# KiCad board st296n_20741.kicad_pcb (continued)
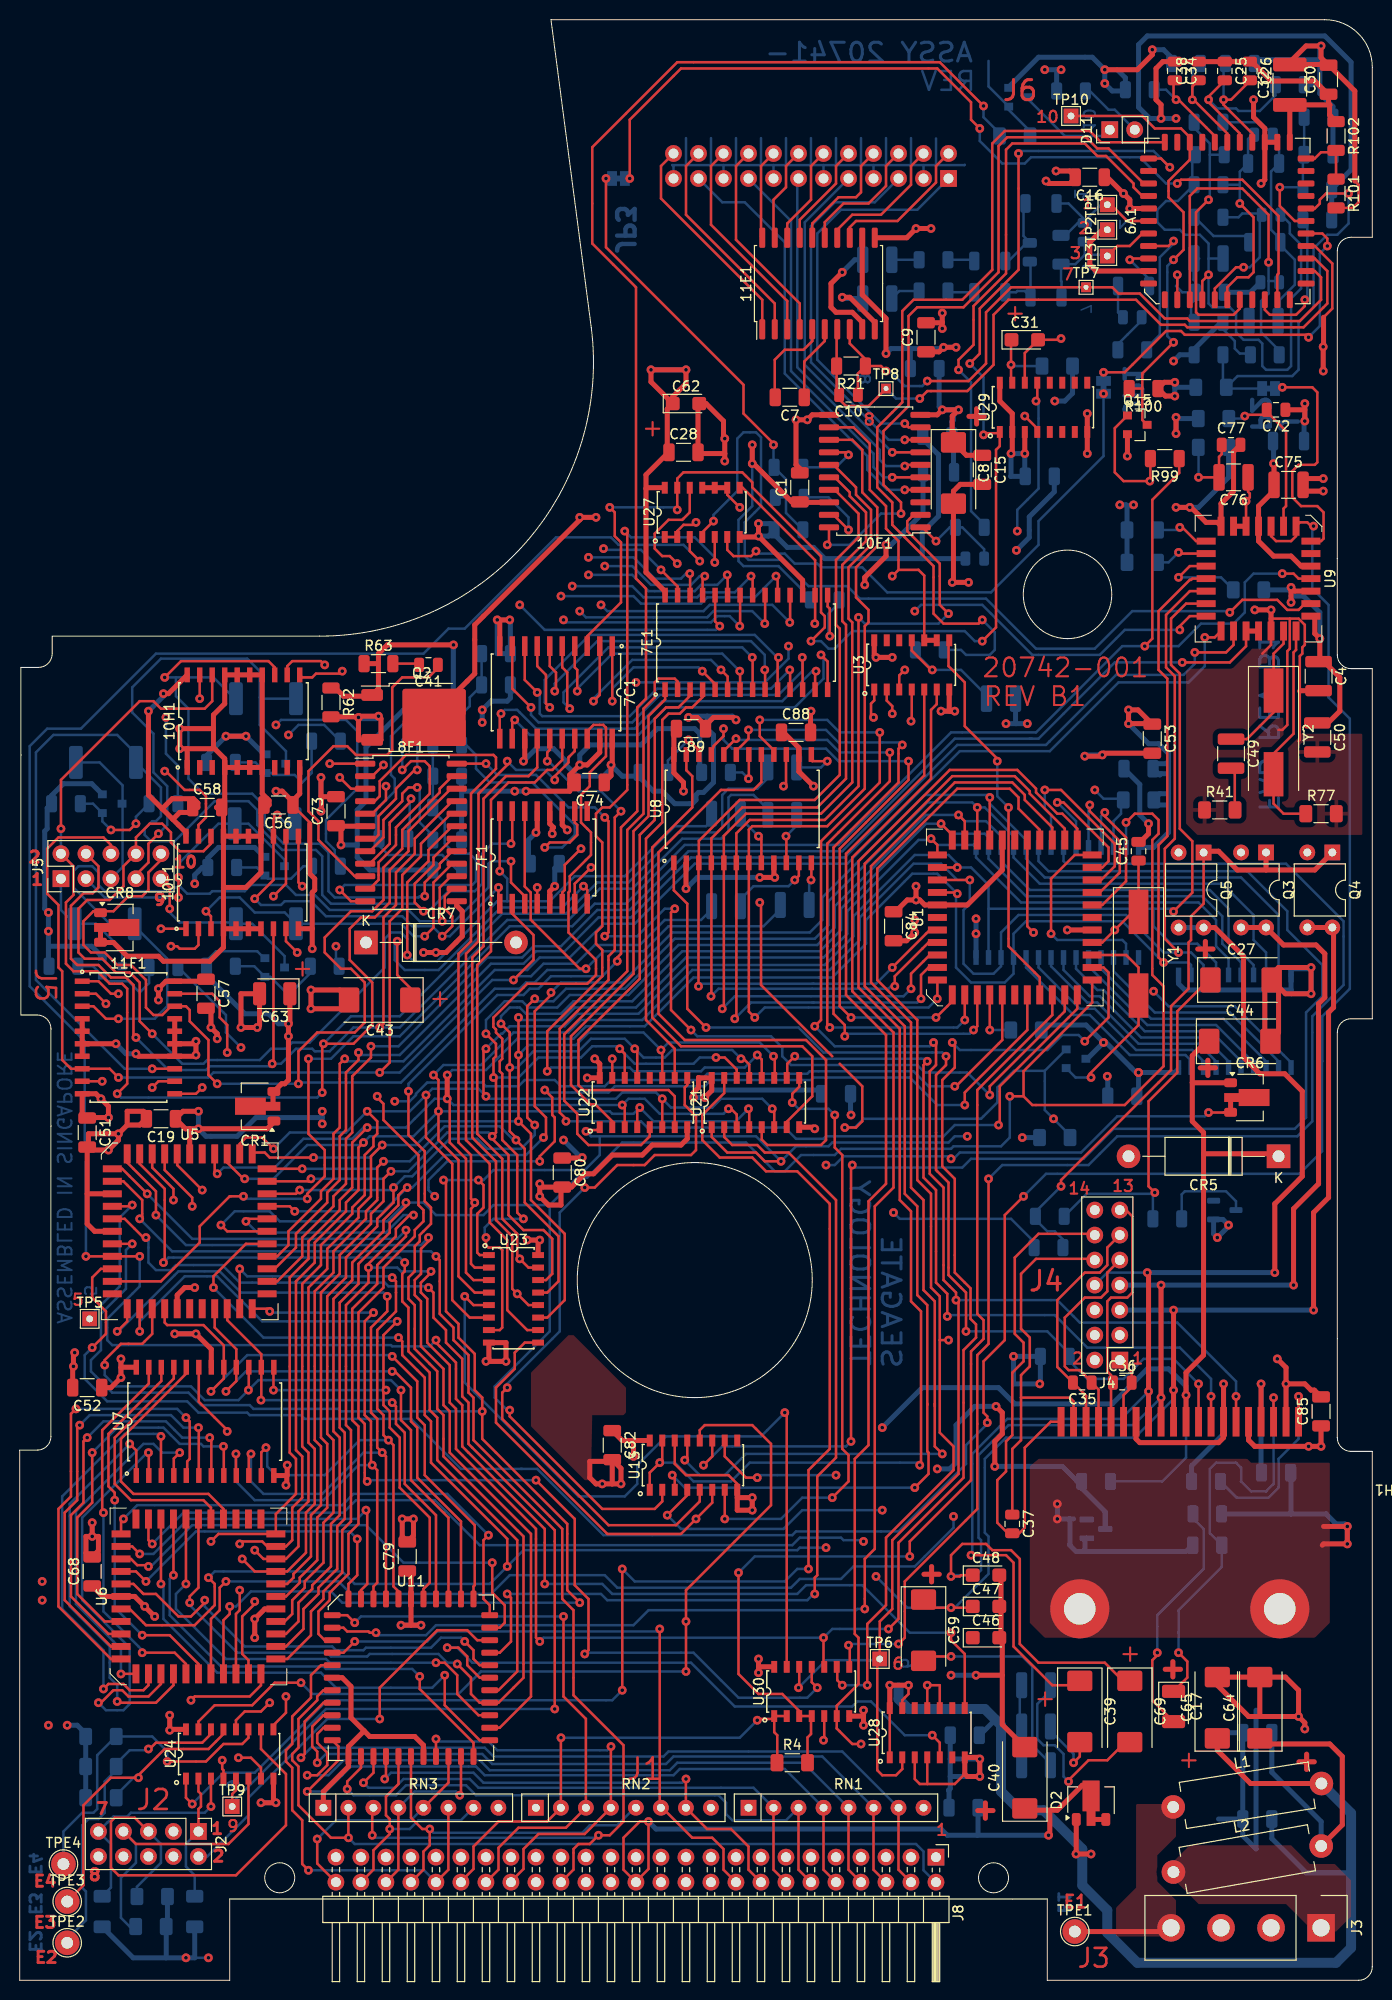
[diagram p0: board, top side]
## Footprints (pads in the part's own frame, mm; a bottom-side part is the same pattern mirrored in y, then rotated)
C_0805_2012Metric
  rrect 1x1.45 smd: 1(-0.95,0) 2(0.95,0)
C_1206_3216Metric
  rrect 1.15x1.8 smd: 1(-1.475,0) 2(1.475,0)
C_1210_3225Metric
  rrect 1.15x2.7 smd: 1(-1.475,0) 2(1.475,0)
C_1812_4532Metric
  rrect 1.4x3.4 smd: 1(-2.05,0) 2(2.05,0)
CP_EIA-3216-10_Kemet-I
  rrect 1.4x1.35 smd: 1(-1.35,0) 2(1.35,0)
CP_EIA-3528-12_Kemet-T
  rrect 1.325x2.35 smd: 1(-1.538,0) 2(1.538,0)
CP_EIA-7343-31_Kemet-D
  rrect 2.075x2.55 smd: 1(-3.112,0) 2(3.112,0)
Crystal_SMD_HC49-SD
  rect 4.5x2 smd: 1(-4.25,0) 2(4.25,0)
D_DO-15_P15.24mm_Horizontal
  rect 2.4x2.4 hole 1.2: 1(0,0)
  oval 2.4x2.4 hole 1.2: 2(15.24,0)
DIP-4_W7.62mm
  rect 1.6x1.6 hole 0.8: 1(0,0)
  oval 1.6x1.6 hole 0.8: 2(0,-2.54) 3(7.62,-2.54) 4(7.62,0)
L_1206_3216Metric
  rrect 1.05x1.9 smd: 1(-1.575,0) 2(1.575,0)
L_Axial_L13.0mm_D4.5mm_P15.24mm_Horizontal_Fastron_HCCC
  round 2.4 hole 1.2: 1(0,0)
  oval 2.4x2.4 hole 1.2: 2(15.24,0)
MOT_DRIVE_SMT
  round 6 hole 3.2: 0(-10.16,19) 0(10.16,19)
  rect 0.7x3 smd: 1(-12.065,0) 2(-10.795,0) 3(-9.525,0) 4(-8.255,0) 5(-6.985,0) 6(-5.715,0) 7(-4.445,0) 8(-3.175,0) 9(-1.905,0) 10(-0.635,0) 11(0.635,0) 12(1.905,0) 13(3.175,0) 14(4.445,0) 15(5.715,0) 16(6.985,0) 17(8.255,0) 18(9.525,0) 19(10.795,0) 20(12.065,0)
PinHeader_1x02_P2.54mm_Vertical
  rect 1.7x1.7 hole 1: 1(0,0)
  oval 1.7x1.7 hole 1: 2(0,-2.54)
PinHeader_2x05_P2.54mm_Vertical
  rect 1.7x1.7 hole 1: 1(0,0)
  oval 1.7x1.7 hole 1: 2(2.54,0) 3(0,-2.54) 4(2.54,-2.54) 5(0,-5.08) 6(2.54,-5.08) 7(0,-7.62) 8(2.54,-7.62) 9(0,-10.16) 10(2.54,-10.16)
PinHeader_2x07_P2.54mm_Vertical
  rect 1.7x1.7 hole 1: 1(0,0)
  oval 1.7x1.7 hole 1: 2(2.54,0) 3(0,-2.54) 4(2.54,-2.54) 5(0,-5.08) 6(2.54,-5.08) 7(0,-7.62) 8(2.54,-7.62) 9(0,-10.16) 10(2.54,-10.16) 11(0,-12.7) 12(2.54,-12.7) 13(0,-15.24) 14(2.54,-15.24)
PinHeader_2x12_P2.54mm_Vertical
  rect 1.7x1.7 hole 1: 1(0,0)
  oval 1.7x1.7 hole 1: 2(2.54,0) 3(0,-2.54) 4(2.54,-2.54) 5(0,-5.08) 6(2.54,-5.08) 7(0,-7.62) 8(2.54,-7.62) 9(0,-10.16) 10(2.54,-10.16) 11(0,-12.7) 12(2.54,-12.7) 13(0,-15.24) 14(2.54,-15.24) 15(0,-17.78) 16(2.54,-17.78) 17(0,-20.32) 18(2.54,-20.32) 19(0,-22.86) 20(2.54,-22.86) 21(0,-25.4) 22(2.54,-25.4) 23(0,-27.94) 24(2.54,-27.94)
PinHeader_2x25_P2.54mm_Horizontal
  rect 1.7x1.7 hole 1: 1(0,0)
  oval 1.7x1.7 hole 1: 2(2.54,0) 3(0,-2.54) 4(2.54,-2.54) 5(0,-5.08) 6(2.54,-5.08) 7(0,-7.62) 8(2.54,-7.62) 9(0,-10.16) 10(2.54,-10.16) 11(0,-12.7) 12(2.54,-12.7) 13(0,-15.24) 14(2.54,-15.24) 15(0,-17.78) 16(2.54,-17.78) 17(0,-20.32) 18(2.54,-20.32) 19(0,-22.86) 20(2.54,-22.86) 21(0,-25.4) 22(2.54,-25.4) 23(0,-27.94) 24(2.54,-27.94) 25(0,-30.48) 26(2.54,-30.48) 27(0,-33.02) 28(2.54,-33.02) 29(0,-35.56) 30(2.54,-35.56) 31(0,-38.1) 32(2.54,-38.1) 33(0,-40.64) 34(2.54,-40.64) 35(0,-43.18) 36(2.54,-43.18) 37(0,-45.72) 38(2.54,-45.72) 39(0,-48.26) 40(2.54,-48.26) 41(0,-50.8) 42(2.54,-50.8) 43(0,-53.34) 44(2.54,-53.34) 45(0,-55.88) 46(2.54,-55.88) 47(0,-58.42) 48(2.54,-58.42) 49(0,-60.96) 50(2.54,-60.96)
PLCC-28
  rect 0.7x1.925 smd: 1(0,5.322) 2(-1.27,5.322) 3(-2.54,5.322) 4(-3.81,5.322) 12(-3.81,-5.322) 13(-2.54,-5.322) 14(-1.27,-5.322) 15(0,-5.322) 16(1.27,-5.322) 17(2.54,-5.322) 18(3.81,-5.322) 26(3.81,5.322) 27(2.54,5.322) 28(1.27,5.322)
  rect 1.925x0.7 smd: 5(-5.322,3.81) 6(-5.322,2.54) 7(-5.322,1.27) 8(-5.322,0) 9(-5.322,-1.27) 10(-5.322,-2.54) 11(-5.322,-3.81) 19(5.322,-3.81) 20(5.322,-2.54) 21(5.322,-1.27) 22(5.322,0) 23(5.322,1.27) 24(5.322,2.54) 25(5.322,3.81)
PLCC-44
  rect 0.7x1.925 smd: 1(0,7.862) 2(-1.27,7.862) 3(-2.54,7.862) 4(-3.81,7.862) 5(-5.08,7.862) 6(-6.35,7.862) 18(-6.35,-7.862) 19(-5.08,-7.862) 20(-3.81,-7.862) 21(-2.54,-7.862) 22(-1.27,-7.862) 23(0,-7.862) 24(1.27,-7.862) 25(2.54,-7.862) 26(3.81,-7.862) 27(5.08,-7.862) 28(6.35,-7.862) 40(6.35,7.862) 41(5.08,7.862) 42(3.81,7.862) 43(2.54,7.862) 44(1.27,7.862)
  rect 1.925x0.7 smd: 7(-7.862,6.35) 8(-7.862,5.08) 9(-7.862,3.81) 10(-7.862,2.54) 11(-7.862,1.27) 12(-7.862,0) 13(-7.862,-1.27) 14(-7.862,-2.54) 15(-7.862,-3.81) 16(-7.862,-5.08) 17(-7.862,-6.35) 29(7.862,-6.35) 30(7.862,-5.08) 31(7.862,-3.81) 32(7.862,-2.54) 33(7.862,-1.27) 34(7.862,0) 35(7.862,1.27) 36(7.862,2.54) 37(7.862,3.81) 38(7.862,5.08) 39(7.862,6.35)
PLCC-44_16.6x16.6mm_P1.27mm
  rrect 0.6x1.7 smd: 1(0,8) 2(-1.27,8) 3(-2.54,8) 4(-3.81,8) 5(-5.08,8) 6(-6.35,8) 18(-6.35,-8) 19(-5.08,-8) 20(-3.81,-8) 21(-2.54,-8) 22(-1.27,-8) 23(0,-8) 24(1.27,-8) 25(2.54,-8) 26(3.81,-8) 27(5.08,-8) 28(6.35,-8) 40(6.35,8) 41(5.08,8) 42(3.81,8) 43(2.54,8) 44(1.27,8)
  rrect 1.7x0.6 smd: 7(-8,6.35) 8(-8,5.08) 9(-8,3.81) 10(-8,2.54) 11(-8,1.27) 12(-8,0) 13(-8,-1.27) 14(-8,-2.54) 15(-8,-3.81) 16(-8,-5.08) 17(-8,-6.35) 29(8,-6.35) 30(8,-5.08) 31(8,-3.81) 32(8,-2.54) 33(8,-1.27) 34(8,0) 35(8,1.27) 36(8,2.54) 37(8,3.81) 38(8,5.08) 39(8,6.35)
R_1206_3216Metric
  rrect 1.125x1.75 smd: 1(-1.462,0) 2(1.462,0)
R_1206_3216Metric_Pad1.30x1.75mm_HandSolder
  rrect 1.3x1.75 smd: 1(-1.55,0) 2(1.55,0)
R_1210_3225Metric
  rrect 1.125x2.65 smd: 1(-1.462,0) 2(1.462,0)
R_2512_6332Metric_Pad1.40x3.35mm_HandSolder
  rrect 1.4x3.35 smd: 1(-3.05,0) 2(3.05,0)
R_Array_SIP8
  rect 1.6x1.6 hole 0.8: 1(0,0)
  oval 1.6x1.6 hole 0.8: 2(2.54,0) 3(5.08,0) 4(7.62,0) 5(10.16,0) 6(12.7,0) 7(15.24,0) 8(17.78,0)
Samtec_HPM-04-01-x-S_Straight_1x04_Pitch5.08mm
  rect 2.8x2.8 hole 1.75: 1(0,0)
  round 2.8 hole 1.75: 2(0,-5.08) 3(0,-10.16) 4(0,-15.24)
SOIC-20W_7.5x12.8mm_P1.27mm
  rrect 2.05x0.6 smd: 1(-4.65,5.715) 2(-4.65,4.445) 3(-4.65,3.175) 4(-4.65,1.905) 5(-4.65,0.635) 6(-4.65,-0.635) 7(-4.65,-1.905) 8(-4.65,-3.175) 9(-4.65,-4.445) 10(-4.65,-5.715) 11(4.65,-5.715) 12(4.65,-4.445) 13(4.65,-3.175) 14(4.65,-1.905) 15(4.65,-0.635) 16(4.65,0.635) 17(4.65,1.905) 18(4.65,3.175) 19(4.65,4.445) 20(4.65,5.715)
SOIC-24W_7.5x15.4mm_P1.27mm
  rrect 2.05x0.6 smd: 1(-4.65,6.985) 2(-4.65,5.715) 3(-4.65,4.445) 4(-4.65,3.175) 5(-4.65,1.905) 6(-4.65,0.635) 7(-4.65,-0.635) 8(-4.65,-1.905) 9(-4.65,-3.175) 10(-4.65,-4.445) 11(-4.65,-5.715) 12(-4.65,-6.985) 13(4.65,-6.985) 14(4.65,-5.715) 15(4.65,-4.445) 16(4.65,-3.175) 17(4.65,-1.905) 18(4.65,-0.635) 19(4.65,0.635) 20(4.65,1.905) 21(4.65,3.175) 22(4.65,4.445) 23(4.65,5.715) 24(4.65,6.985)
SolderJumper-2_P1.3mm_Bridged_Pad1.0x1.5mm
  rect 1x1.5 smd: 1(-0.65,0) 2(0.65,0)
SOP127P620X175-14_SHRINK
  rect 1.2x0.6 smd: 1(-2.5,3.81) 2(-2.5,2.54) 3(-2.5,1.27) 4(-2.5,0) 5(-2.5,-1.27) 6(-2.5,-2.54) 7(-2.5,-3.81) 8(2.5,-3.81) 9(2.5,-2.54) 10(2.5,-1.27) 11(2.5,0) 12(2.5,1.27) 13(2.5,2.54) 14(2.5,3.81)
SOP127P620X175-16_SHRINK
  rect 1.2x0.6 smd: 1(-2.5,4.445) 2(-2.5,3.175) 3(-2.5,1.905) 4(-2.5,0.635) 5(-2.5,-0.635) 6(-2.5,-1.905) 7(-2.5,-3.175) 8(-2.5,-4.445) 9(2.5,-4.445) 10(2.5,-3.175) 11(2.5,-1.905) 12(2.5,-0.635) 13(2.5,0.635) 14(2.5,1.905) 15(2.5,3.175) 16(2.5,4.445)
SOP127P1065X265-16
  rect 2x0.55 smd: 1(-4.7,4.445) 2(-4.7,3.175) 3(-4.7,1.905) 4(-4.7,0.635) 5(-4.7,-0.635) 6(-4.7,-1.905) 7(-4.7,-3.175) 8(-4.7,-4.445) 9(4.7,-4.445) 10(4.7,-3.175) 11(4.7,-1.905) 12(4.7,-0.635) 13(4.7,0.635) 14(4.7,1.905) 15(4.7,3.175) 16(4.7,4.445)
SOP127P1065X265-20
  rect 2x0.55 smd: 1(-4.7,5.715) 2(-4.7,4.445) 3(-4.7,3.175) 4(-4.7,1.905) 5(-4.7,0.635) 6(-4.7,-0.635) 7(-4.7,-1.905) 8(-4.7,-3.175) 9(-4.699,-4.445) 10(-4.699,-5.715) 11(4.699,-5.715) 12(4.699,-4.445) 13(4.7,-3.175) 14(4.7,-1.905) 15(4.7,-0.635) 16(4.7,0.635) 17(4.7,1.905) 18(4.7,3.175) 19(4.7,4.445) 20(4.7,5.715)
SOP127P1065X265-20_SHRINK
  rect 1.5x0.55 smd: 1(-4.7,5.715) 2(-4.7,4.445) 3(-4.7,3.175) 4(-4.7,1.905) 5(-4.7,0.635) 6(-4.7,-0.635) 7(-4.7,-1.905) 8(-4.7,-3.175) 9(-4.699,-4.445) 10(-4.699,-5.715) 11(4.699,-5.715) 12(4.699,-4.445) 13(4.7,-3.175) 14(4.7,-1.905) 15(4.7,-0.635) 16(4.7,0.635) 17(4.7,1.905) 18(4.7,3.175) 19(4.7,4.445) 20(4.7,5.715)
SOP127P1070X255-28
  rect 1.5x0.55 smd: 1(-4.8,8.22) 2(-4.8,6.95) 3(-4.8,5.68) 4(-4.8,4.41) 5(-4.8,3.14) 6(-4.8,1.87) 7(-4.8,0.6) 8(-4.8,-0.67) 9(-4.8,-1.94) 10(-4.8,-3.21) 11(-4.8,-4.48) 12(-4.8,-5.75) 13(-4.8,-7.02) 14(-4.8,-8.29) 15(4.8,-8.29) 16(4.8,-7.02) 17(4.8,-5.75) 18(4.8,-4.48) 19(4.8,-3.21) 20(4.8,-1.94) 21(4.8,-0.67) 22(4.8,0.6) 23(4.8,1.87) 24(4.8,3.14) 25(4.8,4.41) 26(4.8,5.68) 27(4.8,6.95) 28(4.8,8.22)
SOP127P1250X255-24
  rect 1.5x0.55 smd: 1(-5.5,6.95) 2(-5.5,5.68) 3(-5.5,4.41) 4(-5.5,3.14) 5(-5.5,1.87) 6(-5.5,0.6) 7(-5.5,-0.67) 8(-5.5,-1.94) 9(-5.5,-3.21) 10(-5.5,-4.48) 11(-5.5,-5.75) 12(-5.5,-7.02) 13(5.5,-7.02) 14(5.5,-5.75) 15(5.5,-4.48) 16(5.5,-3.21) 17(5.5,-1.94) 18(5.5,-0.67) 19(5.5,0.6) 20(5.5,1.87) 21(5.5,3.14) 22(5.5,4.41) 23(5.5,5.68) 24(5.5,6.95)
SOP127P1270X305-28_SHRINK
  rect 1.5x0.55 smd: 1(-5.588,8.255) 2(-5.588,6.985) 3(-5.588,5.715) 4(-5.588,4.445) 5(-5.588,3.175) 6(-5.588,1.905) 7(-5.588,0.635) 8(-5.588,-0.635) 9(-5.588,-1.905) 10(-5.588,-3.175) 11(-5.588,-4.445) 12(-5.588,-5.715) 13(-5.588,-6.985) 14(-5.588,-8.255) 15(5.588,-8.255) 16(5.588,-6.985) 17(5.588,-5.715) 18(5.588,-4.445) 19(5.588,-3.175) 20(5.588,-1.905) 21(5.588,-0.635) 22(5.588,0.635) 23(5.588,1.905) 24(5.588,3.175) 25(5.588,4.445) 26(5.588,5.715) 27(5.588,6.985) 28(5.588,8.255)
SOT95P230X117-3
  rect 0.9x0.8 smd: 1(-1,0.95) 2(-1,-0.95) 3(1,0)
SOT-23
  rrect 1.475x0.6 smd: 1(-0.938,0.95) 2(-0.938,-0.95) 3(0.938,0)
SOT-23-3
  rrect 1.325x0.6 smd: 1(-1.137,0.95) 2(-1.137,-0.95) 3(1.137,0)
SOT-89-3
  rrect 1.3x0.9 smd: 1(-1.95,1.5) 3(-1.95,-1.5)
  custom 4.6x1.733 smd: 2(-1.863,0)
TestPoint_THTPad_1.0x1.0mm_Drill0.5mm
  rect 1x1 hole 0.5: 1(0,0)
TestPoint_THTPad_1.5x1.5mm_Drill0.7mm
  rect 1.5x1.5 hole 0.7: 1(0,0)
TestPoint_THTPad_D2.5mm_Drill1.2mm
  round 2.5 hole 1.2: 1(0,0)
TO-252-2
  rrect 2.2x1.2 smd: 1(-5.04,2.28) 3(-5.04,-2.28)
  rrect 3.05x2.75 smd: 2(-0.415,1.525) 2(-0.415,-1.525) 2(2.935,1.525) 2(2.935,-1.525)
  rrect 6.4x5.8 smd: 2(1.26,0)

## Nets
+5V: 4H1.5 6A1.29 7C1.13 7C1.20 7F1.11 10E1.18 10F1.20 10H1.20 11F1.20 C1.1 C19.1 C25.1 C26.1 C30.1 C32.1 C34.1 C38.2 C52.1 C53.1 C55.1 C57.1 C58.1 C65.1 C68.1 C70.1 C71.1 C72.1 C74.1 C79.1 C80.1 C81.1 C82.1 C83.1 C84.1 C85.1 C86.1 C88.1 C89.1 CR1.1 D1.1 D2.1 J4.3 L1.2 L3.2 Q14.3 R5.1 R6.1 R34.1 R40.1 R42.2 R46.1 R84.2 R86.2 R88.2 R89.2 R90.2 R94.2 R95.1 R100.1 R102.1 R104.1 RN1.8 RN2.8 RN3.8 U1.35 U1.44 U2.20 U3.14 U4.28 U5.1 U6.1 U7.24 U8.14 U11.1 U13.16 U21.16 U22.16 U23.16 U24.16 U28.1 U28.13 U28.14 U29.2 U29.3 U29.16 U30.14
+5VP: 7E1.28 C28.1 C62.1 CR4.3 R54.1 U27.14
+12V: 4H1.4 7F1.12 8F1.6 C33.1 C64.1 C66.1 C73.1 CR5.2 L2.2 Langle1.2 Q1.2 Q2.2 R61.1
+12VA: 6A1.44 10E1.10 C2.1 C8.1 C15.1 C16.1 Langle1.1 R1B1.1
GND: 4H1.0 4H1.2 4H1.7 4H1.14 6A1.5 6A1.21 6A1.30 6A1.31 7C1.10 7C1.19 7E1.17 7F1.13 8F1.13 10E1.11 10F1.4 10F1.5 10F1.6 10F1.7 10F1.14 10F1.15 10F1.16 10F1.17 10H1.1 10H1.4 10H1.5 10H1.6 10H1.7 10H1.14 10H1.15 10H1.16 10H1.17 11E1.11 11F1.4 11F1.5 11F1.6 11F1.7 11F1.14 11F1.15 11F1.16 11F1.17 C1.2 C2.2 C3.1 C4.2 C5.2 C6.2 C8.2 C9.2 C15.2 C16.2 C18.2 C19.2 C27.2 C28.2 C30.2 C32.2 C33.2 C40.2 C43.2 C44.2 C45.2 C46.2 C47.2 C48.2 C50.2 C51.2 C52.2 C53.2 C55.2 C56.2 C57.2 C58.2 C60.1 C62.2 C63.2 C64.2 C65.2 C66.2 C68.2 C70.2 C71.2 C73.2 C74.2 C75.2 C77.2 C78.2 C79.2 C80.2 C81.2 C82.2 C83.2 C84.2 C85.2 C86.2 C87.2 C88.2 C89.2 CR4.1 CR7.2 CR8.2 CR8.3 J2.6 J2.8 J2.10 J3.2 J3.3 J4.2 J6.3 J6.7 J6.11 J6.15 J6.19 J6.23 J8.1 J8.3 J8.5 J8.7 J8.9 J8.11 J8.13 J8.15 J8.17 J8.19 J8.20 J8.21 J8.22 J8.23 J8.24 J8.27 J8.28 J8.29 J8.30 J8.31 J8.33 J8.34 J8.35 J8.37 J8.39 J8.41 J8.43 J8.45 J8.47 J8.49 Q3.2 Q4.2 Q5.2 Q13.2 Q15.2 R3.2 R7.2 R11.1 R26.1 R27.2 R32.2 R33B1.1 R35.2 R41.1 R49.1 R50.1 R51.2 R53.2 R55.2 R57.1 R60.1 R77.2 R83.2 R91.1 R92.1 R93.1 R96.2 R97.2 R98.2 R101.2 R103.2 RN1.1 RN2.1 RN3.1 TP2.1 U1.22 U2.1 U2.10 U3.7 U4.14 U5.9 U5.12 U5.22 U6.22 U7.12 U7.18 U8.2 U8.9 U8.24 U9.11 U9.23 U11.12 U11.18 U11.24 U13.8 U13.14 U21.8 U22.8 U23.8 U24.8 U27.7 U28.3 U28.4 U28.7 U28.10 U28.11 U29.8 U30.7
/Analog/+RD: 6A1.25
/Analog/-RD: 6A1.26
/Analog/COILU: 4H1.13 C39.1 J4.8 Q5.3 Q5.4
/Analog/COILV: 4H1.12 C48.1 C69.1 J4.7 Q3.3 Q3.4
/Analog/COILW: 4H1.11 7F1.6 C47.1 C59.1 J4.5 Q4.3 Q4.4
/Analog/HDC1: 10E1.9 J6.1
/Analog/HDC2: 10E1.8 J6.5
/Analog/HDC3: 10E1.7 J6.9
/Analog/HDC4: 10E1.6 J6.13
/Analog/HDC5: 10E1.5 J6.17
/Analog/HDC6: 10E1.4 J6.21
/Analog/M_ENA: 7E1.26 11F1.11
/Analog/M_ENB: 7E1.24 10H1.11
/Analog/M_ENC: 7E1.22 10F1.1
/Analog/M_END: 7E1.20 11F1.1
/Analog/M_ENE: 7E1.18 10F1.11
/Analog/MOT_INDEX: 4H1.9 R46.2 U8.1
/Analog/MOTA+: 7F1.15 8F1.18 11F1.13 R67.1
/Analog/MOTA-: 7F1.14 8F1.23 11F1.18 CR8.1 J5.10 R19.1
/Analog/MOTA_U: 7E1.27 R18.1
/Analog/MOTB+: 8F1.17 10H1.13 R81.1
/Analog/MOTB-: 8F1.22 10H1.18 J5.2 R33.1
/Analog/MOTB_U: 7E1.25 R36.1
/Analog/MOTC+: 8F1.16 10F1.3 R67B1.1
/Analog/MOTC-: 8F1.21 10F1.8 J5.4 R12.1
/Analog/MOTC_U: 7E1.23 R39.1
/Analog/MOTD+: 7F1.3 8F1.15 11F1.3 R68.1
/Analog/MOTD-: 7F1.2 8F1.20 11F1.8 J5.6 R13.1
/Analog/MOTD_U: 7E1.21 R15.1
/Analog/MOTE+: 7F1.1 8F1.14 10F1.13 R68B1.1
/Analog/MOTE-: 7F1.16 8F1.19 10F1.18 J5.8 R10.1
/Analog/MOTE_U: 7E1.19 R16.1
/Analog/RREF: 4H1.1 R50.2
/Analog/UHALL+: 4H1.15 C36.2 J4.1
/Analog/UHALL-: 4H1.16 C36.1 J4.13
/Analog/VHALL+: 4H1.19 C37.1 J4.10
/Analog/VHALL-: 4H1.20 C37.2 J4.12
/Analog/WHALL+: 4H1.17 C35.1 J4.9
/Analog/WHALL-: 4H1.18 C35.2 J4.11
/Analog/WRT_FAULT: 10E1.12 U3.9 U3.10
/Analog/WRT_OK: 6A1.15 R104.2
/Analog/~{SM_DIS}: 7E1.16 U27.8
/Analog/~{WRT_GATE}: 6A1.37 Q15.3 R100.2 TP10.1
/Digital/A0: U2.19 U4.10
/Digital/A1: U2.18 U4.9
/Digital/A2: U2.17 U4.8
/Digital/A3: U2.16 U4.7
/Digital/A4: U2.15 U4.6
/Digital/A5: U2.14 U4.5
/Digital/A6: U2.13 U4.4
/Digital/A7: U2.12 U4.3
/Digital/A8: U1.24 U4.25
/Digital/A9: U1.25 U4.24
/Digital/A10: U1.26 U4.21
/Digital/A11: U1.27 U4.23
/Digital/A12: U1.28 U4.2
/Digital/CLK_10M_2: Q14.2 R11.2
/Digital/DIRECTION: 7C1.17 U23.10
/Digital/OLD_CLK_10M0: U27.3
/Digital/OLD_CLK_10M_2: U27.1 U27.2
/Digital/PORT0_CP: U13.7 U21.9
/Digital/PORT1_CP: U13.6 U23.9
/Digital/PORT2_CP: U13.5 U22.9
/Digital/PORT_A13: U1.29 U13.1 U13.15
/Digital/PORT_A14: U1.30 U13.3
/Digital/PORT_A15: U1.31 U13.13
/Digital/SRAM_CE: R94.1 U4.26
/Digital/STEP_OIC: 7C1.15 U1.17
/Digital/SYSRST: R42.1 U1.10 U29.13
/Digital/U9_VPD: C4.1 C50.1 R78.1 U9.26 U9.28
/Digital/U9_~{WD}: U9.27 U27.4
/Digital/~{HALFSTEP2}: 7C1.18 U23.7
/Digital/~{HALFSTEP}: 7C1.16 U23.15
/Digital/~{PSEN}: U1.32 U30.9
/Digital/~{SCSI_CS}: U3.1 U13.10
/Digital/~{SMRESET}: 7C1.14 U23.12
/Digital/~{SRAM_CE1}: U4.20 U13.11
/SCSI/ACK: U6.43 U11.6
/SCSI/BOE: U3.4 U30.5
/SCSI/BSY: U6.35 U11.31
/SCSI/BSYO: R76.1 U6.34 U11.32
/SCSI/CLKA: U5.3 U6.16
/SCSI/C~{D}: J8.46 RN3.4 U11.27
/SCSI/IO: U5.5 U11.33
/SCSI/I~{O}: J8.50 RN3.5 U11.26
/SCSI/LO: U6.42 U11.38
/SCSI/MSG: U5.7 U11.9
/SCSI/PA_REQ: U5.4 U6.15
/SCSI/PARITY: J8.18 RN2.6 U11.10
/SCSI/REQ: U6.44 U11.35
/SCSI/SA0: U6.3 U7.8
/SCSI/SA1: U6.4 U7.7
/SCSI/SA2: U6.5 U7.6
/SCSI/SA3: U6.6 U7.5
/SCSI/SA4: U6.7 U7.4
/SCSI/SA5: U6.8 U7.3
/SCSI/SA6: U6.9 U7.2
/SCSI/SA7: U6.10 U7.1
/SCSI/SA8: U6.11 U7.23
/SCSI/SA9: U6.12 U7.22
/SCSI/SA10: U6.17 U7.19
/SCSI/SD0: J8.2 RN3.2 U11.13
/SCSI/SD1: J8.4 RN1.7 U11.14
/SCSI/SD2: J8.6 RN1.6 U11.15
/SCSI/SD3: J8.8 RN1.5 U11.16
/SCSI/SD4: J8.10 RN1.4 U11.17
/SCSI/SD5: J8.12 RN1.3 U11.19
/SCSI/SD6: J8.14 RN1.2 U11.20
/SCSI/SD7: J8.16 RN2.7 U11.21
/SCSI/SDB0: U5.28 U7.9 U11.4
/SCSI/SDB1: U5.18 U7.10 U11.3
/SCSI/SDB2: U5.27 U7.11 U11.2
/SCSI/SDB3: U5.19 U7.13 U11.44
/SCSI/SDB4: U5.26 U7.14 U11.43
/SCSI/SDB5: U5.20 U7.15 U11.42
/SCSI/SDB6: U5.25 U7.16 U11.41
/SCSI/SDB7: U5.21 U7.17 U11.40
/SCSI/SEL: U6.37 U11.29
/SCSI/SELO: U6.36 U11.28
/SCSI/TMPWR: C6.1 C40.1 D2.2 D2.3 J8.26
/SCSI/~{ACK}: J8.38 RN2.3 U11.7
/SCSI/~{ATN}: J8.32 RN3.3 U5.8
/SCSI/~{BIE}: U6.40 U11.39
/SCSI/~{BOE}: U6.41 U11.5
/SCSI/~{BSY}: J8.36 RN2.4 U11.25
/SCSI/~{C}D: U5.6 U11.30
/SCSI/~{ET}: U3.3 U6.38
/SCSI/~{MSG}: J8.42 RN3.6 U11.11
/SCSI/~{MS}: U6.32 U7.20
/SCSI/~{REQ}: J8.48 RN3.7 U11.22
/SCSI/~{RST}: J8.40 R4.1 RN2.2 U30.1 U30.2
/SCSI/~{SEL}: J8.44 RN2.5 U11.23
/SCSI/~{SRAM_WE}: U6.33 U7.21
AD0: U1.43 U2.2 U4.11 U5.43 U6.28 U9.15 U21.3 U22.3 U23.3 U24.4
AD1: U1.42 U2.3 U4.12 U5.42 U6.27 U9.16 U21.4 U22.4 U23.4 U24.7
AD2: U1.41 U2.4 U4.13 U5.41 U6.26 U9.17 U21.6 U22.6 U23.6 U24.9
AD3: U1.40 U2.5 U4.15 U5.40 U6.25 U21.11 U22.11 U23.11 U24.12
AD4: U1.39 U2.6 U4.16 U5.39 U6.24 U21.13 U22.13 U23.13
AD5: U1.38 U2.7 U4.17 U5.38 U6.23 U21.14 U22.14 U23.14
AD6: U1.37 U2.8 U4.18 U5.37 U6.21
AD7: U1.36 U2.9 U4.19 U5.36 U6.20
ALE: U1.33 U2.11 U5.2 U6.13
ALL_PHASES_ON: 7E1.15 R5.2
CLK_10M0: U5.14 U28.8
CS: U3.2 U5.33 U6.2
CS_: 8F1.4 U23.2
INDEX_Q: TP9.1 U5.11 U8.15 U24.5
MLOWSIDE_LATCH: U8.17 U21.5
MLOWSIDE_MUX0: U1.7 U8.21
MLOWSIDE_MUX1: U1.8 U8.20
MLOWSIDE_MUX2: U1.9 U8.19
MTA+: 7C1.1 7E1.5 11F1.12
MTA-: 7C1.2 7E1.6 11F1.19
MTB+: 7C1.4 7E1.7 10H1.12
MTB-: 7C1.5 7E1.8 10H1.19
MTC+: 7C1.6 7E1.9 10F1.2
MTC-: 7C1.7 7E1.10 10F1.9
MTD+: 7C1.8 7E1.11 11F1.2
MTD-: 7C1.9 7E1.12 11F1.9
MTE+: 7C1.11 7E1.13 10F1.12
MTE-: 7C1.12 7E1.14 10F1.19
MYST1: U22.15 U27.12
NRZ: U5.31 U9.20
RDREFCLK: U5.30 U9.21 U9.22
READ_DATA: 6A1.24 JP2.1 R35.1 R95.2
RGATE2: U5.15 U9.5 U9.7
RING: 8F1.24 U1.16
RING_CLK: 8F1.1 U30.11
RIWR1: 10E1.2 U1.5 U8.6
RIWR2: 10E1.13 U1.6 U8.7
S0: 7E1.1 U22.2
S1: 7E1.2 U22.5
S2: 7E1.3 U22.7
S3: 7E1.4 U22.10
SCSI_PIN: U11.36 U21.2
SERIAL_CLOCK: 8F1.3 U1.13
SERIAL_DATA: 8F1.2 U1.11
SYS_CLK2: U11.34 U28.5
SYS_CLOCK: 4H1.6 TP6.1 U8.16 U28.2 U30.12
VAA: 10F1.10 10H1.10 11F1.10 C51.1 C56.1 C63.1 CR1.2 CR1.3 CR7.1 Q2.3 Q8.2 Q9.2 Q10.2 Q11.2 Q12.2 R14.1 R17.1 R20.1 R37.1 R38.1 R52.1 R62.2
WDATA_IN: 6A1.22 JP1.2
WGATE2: R99.1 U5.16 U9.1
WSL: U9.18 U13.4
~{HDSEL1}: 10E1.17 U1.2 U8.3
~{HDSEL2}: 10E1.16 U1.3 U8.4
~{HDSEL4B}: 10E1.15 U1.4 U8.5
~{INDEX_CLEAR}: U8.23 U21.7
~{INDEX_SYNC}: 4H1.8 U21.10
~{MCU_RD}: U1.19 U5.35 U6.18 U30.10
~{MCU_WR}: U1.18 U4.27 U5.34 U6.19 U13.2
~{PARITY_ERR}: J2.2 U11.37
~{RETRACT}: 6A1.40 7C1.3 U27.13 U29.1
~{SRST}: R4.2 U1.15 U30.3 U30.4
~{SYSRST}: 8F1.5 U5.13 U6.14 U21.1 U22.1 U23.1 U29.4
~{WAM}/~{AMD}: U5.32 U9.19
~{WRT_FAULT}: U1.14 U3.8
Net-(4H1-RC): 4H1.3 C17.1 C18.1
Net-(4H1-VCC): 4H1.10 7F1.5 C44.1 C87.1 CR5.1 CR6.1 R54.2
Net-(6A1A-VCTAP): 6A1.43 R9.1
Net-(6A1A-WDATA_IN-): 6A1.23 C78.1 R34.2 R103.1
Net-(6A1A-WRITE_CUR): 6A1.16 JP3.2
Net-(6A1A-~{WRT_FAULT}): 6A1.39 R8.2
Net-(6A1B-+ON): 6A1.4 L8.1
Net-(6A1B--ON): 6A1.3 R25.1
Net-(6A1B-DI+): 6A1.1 C14.1 L6.2 R24.1 TP1.1
Net-(6A1B-DI-): 6A1.2 C14.2 L7.2 R24.2 TP3.1
Net-(6A1B-DO+): 6A1.8 C22.1 R26.2 R28.1
Net-(6A1B-DO-): 6A1.9 C21.2 C24.1 R27.1
Net-(6A1C-+C1): 6A1.10 C22.2 C23.1 R30.1 R87.1
Net-(6A1C-+C2): 6A1.12 C67.1 L10.1 R87.2
Net-(6A1C--C1): 6A1.11 C23.2 R29.1
Net-(6A1C--C2): 6A1.13 R30.2 R31.1
Net-(6A1C-GND): 6A1.28 R101.1 R102.2
Net-(6A1C-TMG1): 6A1.35 C34.2 R51.1
Net-(6A1C-TMG2): 6A1.34 C38.1 R53.1
Net-(6A1C-TMG3): 6A1.33 C25.2 R32.1
Net-(6A1C-TMG4): 6A1.32 C26.2 R33B1.2
Net-(7F1-CT): 7F1.8 C43.1
Net-(7F1-DRV): 7F1.7 R66.1
Net-(7F1-VC): 7F1.4 CR6.2 CR6.3
Net-(7F1-VREF): 7F1.10 8F1.7 R56.2
Net-(8F1-COMP): 8F1.10 C41.1
Net-(8F1-DAC_SET): 8F1.8 R57.2
Net-(8F1-DRV): 8F1.9 R79.2
Net-(8F1-FB): 8F1.11 R52.2 R60.2
Net-(8F1-RING_SET): 8F1.12 C60.2 R55.1 R56.1
Net-(10E1-IWR1): 10E1.19 R2.1
Net-(10E1-IWR2): 10E1.14 R1.1
Net-(10E1-VCTAP): 10E1.1 C3.2 R9.2
Net-(10E1-VHS): 6A1.42 10E1.20
Net-(11E1-12V): 11E1.12 C9.1 R1B1.2
Net-(11E1-DI+): 6A1.19 11E1.8 C10.1 R21.1 TP7.1
Net-(11E1-DI-): 6A1.20 11E1.7 C10.2 R21.2 TP8.1
Net-(11E1-DO+): 11E1.10 C12.1
Net-(11E1-DO-): 11E1.9 C11.1
Net-(11E1-GAIN+): 11E1.6 C7.1
Net-(11E1-GAIN-): 11E1.5 C7.2
Net-(11E1-HD1+): 11E1.14 J6.4
Net-(11E1-HD1-): 11E1.13 J6.2
Net-(11E1-HD2+): 11E1.16 J6.8
Net-(11E1-HD2-): 11E1.15 J6.6
Net-(11E1-HD3+): 11E1.18 J6.12
Net-(11E1-HD3-): 11E1.17 J6.10
Net-(11E1-HD4+): 11E1.20 J6.16
Net-(11E1-HD4-): 11E1.19 J6.14
Net-(11E1-HD6+): 11E1.1 J6.24
Net-(11E1-HD6-): 11E1.2 J6.22
Net-(C5-Pad1): C5.1 R8.1 U3.11
Net-(C11-Pad2): C11.2 R22.2
Net-(C12-Pad2): C12.2 R23.2
Net-(C13-Pad1): C13.1 L4.2 L6.1
Net-(C13-Pad2): C13.2 L5.2 L7.1
Net-(C17-Pad2): C17.2 R49.2
Net-(C20-Pad1): C20.1 L8.2
Net-(C20-Pad2): C20.2 R25.2
Net-(C21-Pad1): C21.1 R28.2
Net-(C24-Pad2): C24.2 C67.2 L9.2 L10.2 R31.2
Net-(C27-Pad1): C27.1 R65.2 R69.1
Net-(C39-Pad2): C39.2 R43.2
Net-(C41-Pad2): C41.2 R63.2
Net-(C49-Pad2): C49.2 R41.2
Net-(C59-Pad2): C59.2 R47.2
Net-(C69-Pad2): C69.2 R48.2
Net-(C76-Pad2): C76.2 C77.1 R96.1
Net-(D1-K): D1.3 R69.2
Net-(D11-A): D11.2 R84.1
Net-(D11-K): D11.1 Q13.3
Net-(J2-Pin_1): J2.1 R86.1 U24.2
Net-(J2-Pin_5): J2.5 R88.1 U24.10
Net-(J2-Pin_7): J2.7 R89.1 U24.6
Net-(J2-Pin_9): J2.9 R90.1 U24.3
Net-(J3-Pin_1): J3.1 L2.1
Net-(J3-Pin_4): J3.4 L1.1 TPE1.1
Net-(J5-Pin_1): J5.1 Q8.3 R68.2
Net-(J5-Pin_3): J5.3 Q9.3 R68B1.2
Net-(J5-Pin_5): J5.5 Q10.3 R67.2
Net-(J5-Pin_7): J5.7 Q11.3 R81.2
Net-(J5-Pin_9): J5.9 Q12.3 R67B1.2
Net-(J6-Pin_18): 11E1.4 J6.18
Net-(J6-Pin_20): 11E1.3 J6.20
Net-(JP1-A): JP1.1 U27.6
Net-(JP2-B): JP2.2 U9.4
Net-(JP3-A): JP3.1 R1.2 R2.2 R3.1
Net-(L4-Pad1): L4.1 R22.1
Net-(L5-Pad1): L5.1 R23.1
Net-(L9-Pad1): L9.1 R29.2
Net-(Q1-B): Q1.1 R61.2 R79.1
Net-(Q1-C): Q1.3 Q2.1 R62.1 R63.1
Net-(Q3-G): Q3.1 Q4.1 Q5.1 R65.1 R66.2
Net-(Q8-B): Q8.1 R14.2 R15.2
Net-(Q9-B): Q9.1 R16.2 R17.2
Net-(Q10-B): Q10.1 R18.2 R20.2
Net-(Q11-B): Q11.1 R36.2 R37.2
Net-(Q12-B): Q12.1 R38.2 R39.2
Net-(Q13-B): Q13.1 R76.2
Net-(Q14-B): Q14.1 U1.20 Y1.2
Net-(Q15-B): Q15.1 R99.2
Net-(R43-Pad1): R43.1 R47.1 R48.1
Net-(U1-XTAL1): C45.1 U1.21 Y1.1
Net-(U3-Pad5): U3.5 U30.6
Net-(U4-~{OE}): U4.22 U30.8
Net-(U5-OUTPUT): TP5.1 U5.10
Net-(U8-FOUR/~{TWO}): R6.2 U8.22
Net-(U8-IREF): R7.1 U8.18
Net-(U8-~{MOTA}): R19.2 U8.12
Net-(U8-~{MOTB}): R33.2 U8.13
Net-(U8-~{MOTC}): R12.2 U8.10
Net-(U8-~{MOTD}): R13.2 U8.11
Net-(U8-~{MOTE}): R10.2 U8.8
Net-(U9-IREF): R78.2 U9.14
Net-(U9-NC): C75.1 L3.1 U9.2 U9.8
Net-(U9-PD_OUT): C76.1 U9.9 U9.10
Net-(U9-RF): R98.1 U9.13
Net-(U9-RS): R97.1 U9.12
Net-(U9-SDS): C72.2 R83.1 U9.6
Net-(U9-XTAL1): C49.1 U9.24 Y2.1
Net-(U9-XTAL2): R77.1 U9.25 Y2.2
Net-(U11-~{OE}?): U3.6 U11.8
Net-(U13-Q3b): U13.12 U24.15
Net-(U21-Q4): U21.12 U27.5
Net-(U21-Q5): U21.15 U24.1
Net-(U23-Q1): U23.5 U30.13
Net-(U24-I0c): R91.2 TPE2.1 U24.14
Net-(U24-I0d): R93.2 TPE4.1 U24.11
Net-(U24-I1c): R92.2 TPE3.1 U24.13
Net-(U27-Pad10): U27.9 U27.10 U27.11
Net-(U29A-Cext): C31.2 U29.14
Net-(U29A-RCext): C31.1 R40.2 U29.15

Pads without a net: 6A1 6 7 14 17 18 27 36 38 41; 7F1 9; 10E1 3; 10H1 2 3 8 9; C46 1; CR4 2; D1 2; J2 3 4; J4 4 6 14; J8 25; U1 1 12 23 34; U3 12 13; U4 1; U5 17 23 24 29 44; U6 29 30 31 39; U9 3; U13 9; U22 12; U28 6 9 12; U29 5 6 7 9 10 11 12

## Via types
v1: diameter 0.889, hole 0.381, Top to Bottom, 833 vias

## Routing (per net, layer and track width the routed paths; a pad name or vN(x,y) marks a point on that pad's centre or on a via; arc(x,y) is an arc through that point)
+5V: length 735
  Top w0.254: U28.13 89.66,28.45 90.3,29.08 v1(90.3,29.97) ; U28.1 U28.14
  Top w0.508: v1(18.16,88.27) 16.59,88.27 C19.1 16.84,86.49 17.27,86.49 ; v1(72.77,128.02) 72.52,128.27 70.48,128.27 69.67,127.46 C89.1 69.67,127.43 68.83,128.27 v1(67.95,128.27) ; v1(13.72,36.96) v1(12.7,37.97) 11.68,38.99 U6.1 8.43,38.99 C68.1 ; v1(51.56,75.18) v1(52.83,75.18) 52.67,75.02 U23.16 ; v1(90.3,29.97) v1(88.39,29.97) U28.14 ; 75.06,31.88 v1(75.06,32.64) ; 75.06,31.88 75.1,31.84 U30.14 ; 75.06,31.88 v1(75.06,31.24) ; v1(69.6,89.66) 70.3,90.37 U21.16 69,91.65 68.96,91.69 68.96,90.68 68.45,90.17 v1(68.45,89.66) ; C85.1 v1(132.21,54.23) v1(130.94,54.23) 125.48,54.23 124.84,54.86 4H1.5 ; v1(15.24,26.92) v1(15.24,25.4) 15.33,25.49 U24.16 ; v1(108.84,12.83) v1(107.31,12.83) 107.34,12.85 D2.1 ; v1(57.15,83.57) 57.1,83.52 C80.1 ; v1(80.64,121.29) 79.16,122.77 U8.14 79.16,125.19 77.6,126.75 C88.1 ; C72.1 130.56,159.51 ; 130.56,159.51 v1(130.56,160.15) ; 130.56,159.51 v1(130.56,158.37) ; U5.1 17.27,86.49 ; 17.27,86.49 v1(18.16,86.49) 25.15,86.49 25.83,87.17 CR1.1 ; U29.3 v1(102.11,155.07) ; v1(57.66,91.65) U22.16 58.93,93.09 v1(58.42,93.6) ; 62.36,54.82 61.2,54.82 C82.1 ; 62.36,54.82 v1(62.36,53.21) ; 62.36,54.82 U13.16 ; v1(91.06,109.73) 91.44,109.73 91.95,109.22 U1.44 96.27,109.22 99.82,112.78 U1.35 ; v1(91.06,109.73) v1(91.06,111.12) ; v1(91.06,109.73) 90.17,109.73 88.98,108.54 C84.1 ; 14.48,119 13.08,120.4 v1(13.08,128.91) ; 14.48,119 15.49,120.02 17.65,120.02 18.1,119.57 18.1,119.13 18.03,119.13 17.53,118.62 16.26,118.62 15.56,117.92 ; 14.48,119 15.56,117.92 ; U29.16 99.57,160.4 100.84,159.13 U29.2 100.84,155.19 v1(100.71,155.07) ; 7C1.20 60.2,123.57 v1(60.07,123.44) 60.07,122.35 C74.1 ; v1(115.95,189.1) 115.95,190.5 115.44,191.01 115.44,194.18 116.14,194.88 C34.1 C26.1 125.16,194.88 127.13,192.91 131.57,192.91 132.92,191.56 C30.1 132.97,190.63 133.1,190.5 133.08,190.48 ; 10E1.18 79.3,150.11 C1.1 78.44,150.16 74.55,154.05 v1(74.42,154.05) v1(74.42,155.96) ; 10H1.20 15.11,130.68 v1(14.61,130.68) ; 39.75,36.07 U11.1 39.75,41.2 C79.1 ; 39.75,36.07 v1(38.73,36.07) ; 39.75,36.07 v1(40.77,36.07) ; 8.33,60.2 9.27,60.2 v1(10.29,61.21) 10.29,62.23 ; 6A1.29 C32.1 133.08,190.48 ; U3.14 86.81,134.55 v1(87,134.37) v1(88.65,134.37) ; 7F1.11 55.12,117.35 v1(55.63,116.84) ; v1(51.18,123.83) 51.31,123.95 7C1.13 ; 15.56,117.92 16.89,116.59 10F1.20 ; v1(14.1,99.57) v1(14.1,100.71) 14.86,101.47 11F1.20 18.72,101.47 C57.1 ; 10.29,62.23 10.33,62.27 U7.24 ; 10.29,62.23 v1(10.29,63.12) ; 133.08,190.48 133.08,189.44 R102.1 ; L1.2 125.05,19.99 121.67,23.37 C65.1 ; v1(117.35,160.91) 116.4,160.91 R100.1 116.27,162.31 v1(117.35,162.31) ; v1(112.65,127.64) v1(112.65,129.03) 113.62,129.03 C53.1 115.01,127.64 v1(112.65,127.64)
  In1.Cu w0.508: v1(18.16,86.49) v1(18.16,88.27) 15.75,90.68 15.75,97.92 v1(14.1,99.57) v1(14.1,100.71) 14.1,101.47 20.57,107.95 20.57,111.51 16,116.08 16,123.7 14.48,125.22 14.48,126.75 13.08,128.14 v1(13.08,128.91) ; v1(40.77,36.07) v1(38.73,36.07) 38.73,34.42 29.72,25.4 v1(15.24,25.4) 15.24,28.19 14.99,28.45 14.99,35.69 v1(13.72,36.96) v1(12.7,37.97) 10.41,40.26 10.41,43.94 11.94,45.47 11.94,48.51 9.65,50.8 9.65,60.58 v1(10.29,61.21) v1(10.29,63.12)
  Bottom w0.254: 17.78,2.29 v1(19.18,2.29) ; v1(74.42,154.05) 74.42,149.73 73.03,148.34 73.03,144.15 73.53,143.64 77.09,143.64 80.33,140.4 R5.1
  Bottom w0.508: v1(18.16,88.27) v1(18.16,86.49) 18.92,85.73 22.1,85.73 24,87.63 30.73,87.63 ; v1(57.15,83.57) 57.02,83.57 v1(55.25,85.34) ; C81.1 81.08,90.42 70.36,90.42 v1(69.6,89.66) v1(68.45,89.66) ; v1(72.77,128.02) 72.39,128.4 69.85,128.4 ; v1(110.11,95.25) 110.36,95.25 113.41,92.2 v1(113.66,92.2) ; v1(110.11,95.25) 108.46,93.6 Q14.3 ; v1(110.11,95.25) 108.33,97.03 104.29,97.03 103.78,96.52 ; 14.86,2.29 14.88,2.31 R89.2 15.01,5.59 R88.2 ; 14.86,2.29 11.53,2.29 R90.2 ; 14.86,2.29 17.78,2.29 R86.2 ; 30.73,87.63 v1(30.73,88.27) ; 30.73,87.63 v1(30.73,87) ; 116.71,120.52 116.71,119.38 ; 116.71,120.52 116.71,122.56 ; 116.71,120.52 115.82,120.52 115.22,119.91 R94.2 115.72,119.38 116.71,119.38 ; 116.71,119.38 116.71,116.59 115.19,115.06 U4.28 ; 116.71,122.56 116.71,123.83 ; 116.71,122.56 115.95,122.56 115.82,122.43 115.19,123.06 C71.1 115.14,123.27 115.44,123.57 116.46,123.57 116.71,123.83 ; 116.71,123.83 116.71,124.59 115.7,125.6 114.68,125.6 v1(112.65,127.64) v1(112.65,129.03) ; v1(14.61,130.68) 14.61,130.43 v1(13.08,128.91) ; 99.12,26.48 97.54,24.89 C86.1 ; 117.35,161.8 v1(117.35,160.91) ; 117.35,161.8 R95.1 ; 117.35,161.8 v1(117.35,162.31) ; v1(113.66,92.2) 113.66,89.97 C83.1 ; v1(113.66,92.2) 117.35,92.2 117.73,92.58 117.73,92.71 ; 105.41,194.06 105.34,193.99 R84.2 ; 105.41,194.06 v1(105.79,194.06) ; 105.41,194.06 v1(104.14,194.06) ; v1(87,134.37) v1(88.65,134.37) ; R104.1 R34.1 133.29,181.93 135.25,183.9 135.25,194.82 132.59,197.49 114.55,197.49 113.66,196.6 113.66,190.25 114.81,189.1 v1(115.95,189.1) v1(117.47,189.1) ; 69.85,128.4 69.85,127.13 70.48,126.49 70.48,121.67 69.47,120.65 68.96,120.65 68.71,120.4 68.71,119.89 68.33,119.51 66.55,119.51 65.28,120.78 64.39,120.78 62.86,122.3 61.21,122.3 v1(60.07,123.44) 60.07,123.06 59.31,122.3 56.64,122.3 55.5,123.44 55.5,123.83 54.23,125.1 52.45,125.1 v1(51.18,123.83) ; 69.85,128.4 68.07,128.4 v1(67.95,128.27) ; v1(10.29,61.21) v1(10.29,63.12) ; v1(51.56,75.18) v1(52.83,75.18) ; v1(88.39,29.97) v1(90.3,29.97) ; L3.2 130.48,158.29 v1(130.56,158.37) v1(130.56,160.15) ; v1(38.73,36.07) v1(40.77,36.07) ; v1(105.16,160.4) 106.17,160.4 106.96,161.19 R40.1 ; 135.25,10.92 130.68,10.92 127.21,14.4 C70.1 ; v1(74.42,155.96) v1(74.42,154.05) ; v1(108.84,12.83) v1(107.31,12.83) ; 122.81,76.58 v1(121.67,75.44) 121.29,75.81 D1.1 122.24,77.28 v1(122.81,76.71) 122.81,76.58 ; 100.69,152.76 C55.1 102.11,152.8 v1(102.11,155.07) v1(100.71,155.07) 100.71,152.78 100.69,152.76 ; v1(103.63,60.58) 100.97,60.58 v1(100.97,63.37) R46.1 103.69,60.64 v1(103.63,60.58)
  Bottom w1.016: 89.28,29.72 89.28,28.58 90.3,27.56 98.04,27.56 99.69,25.91 99.69,19.18 101.6,17.27 104.01,17.27 107.95,13.34 107.95,9.65 110.49,7.11 110.49,4.83 113.54,1.78 133.73,1.78 135.25,3.3 135.25,16.97 L1.2
  vias: v1(16.89,2.29)
+5VP: length 206.1
  Top w0.508: U27.14 63.71,151.6 63.63,151.51 ; C62.1 64.14,162.35 v1(64.14,163.58) v1(67.69,163.58) 67.69,162.18 66.34,160.83 C62.1 ; C62.1 65.79,159.59 65.79,155.37 C28.1 65.91,155.19 63.63,152.91 63.63,151.51 ; 63.63,151.51 63.63,143 65.57,141.06 7E1.28 ; v1(99.06,52.2) 99.06,54.74 99.82,55.5 99.82,57.66 v1(99.19,58.29)
  In2.Cu w0.508: v1(64.14,163.58) 61.98,161.42 61.98,158.24 62.86,157.35 62.86,134.37 63.88,133.35 63.88,109.22 67.56,105.54 82.8,105.54 88.52,99.82 88.52,80.52 91.06,77.98 91.06,68.33 91.95,67.44 91.95,53.21 v1(93.22,51.94)
  Bottom w0.508: v1(93.22,51.94) 94.49,51.94 95.12,52.58 95.12,56.39 97.03,58.29 v1(99.19,58.29) ; v1(64.14,163.58) v1(67.69,163.58) ; v1(99.06,52.2) 105.92,52.2 107.44,50.67 R54.1 107.88,49.98 110.28,47.58 CR4.3
+12V: length 125.2
  Top w0.508: v1(85.85,141.73) 85.85,142.49 88.01,144.65 v1(88.01,145.8) ; 4H1.4 v1(126.11,60.58) ; C64.1 126.55,24 133.1,24 134.37,22.73 134.37,15.79 L2.2 ; v1(58.55,148.59) v1(56.9,148.59) 56.9,148.34 46.23,137.67 46.23,132.72 42.11,128.59 Q2.2 ; v1(32.64,115.32) 32.64,117.22 8F1.6 ; v1(54.1,116.46) 54.1,116.97 54.23,117.09 53.85,117.48 7F1.12
  Bottom w0.508: C66.1 127.21,21.13 132.22,16.12 L2.2 ; 34.29,115.32 34.29,114.05 35.56,112.78 R61.1 ; 34.29,115.32 34.29,118.87 35.18,119.76 35.18,125.22 40.57,130.62 Q1.2 ; 34.29,115.32 v1(32.64,115.32) ; v1(126.11,60.58) 126.11,51.61 C33.1 ; Langle1.2 91.77,149.05 88.52,145.8 v1(88.01,145.8)
+12VA: length 32.4
  Top w0.508: C15.1 96.18,154.89 C8.1 94.86,157.23 94.74,157.35 ; 10E1.10 93.22,159 v1(93.73,159.51) v1(95.38,159.51) 94.74,158.88 94.74,157.35 ; 94.74,157.35 94.74,156.97 ; 110.19,183.13 110.49,183.13 v1(112.14,181.48) 112.78,180.85 v1(112.78,179.96) 6A1.44
  Bottom w0.508: v1(112.78,179.96) 112.78,180.85 v1(112.14,181.48) ; R1B1.1 93.41,159.83 v1(93.73,159.51) v1(95.38,159.51) 94.87,159 94.87,158.5 94.69,158.32 C2.1 94.87,156.67 94.87,153.21 Langle1.1
